# Allegro board LED_FIN.brd (continued)
## Routing (per net, layer and track width the routed paths; a pad name or vN(x,y) marks a point on that pad's centre or on a via; arc(x,y) is an arc through that point) (continued)
COL_OUT_A108: length 259.4
  TOP w0.15: D132.1 v1(61.25,384.8) ; D672.1 v1(61.25,348.8) ; D972.1 v1(61.25,328.8) ; D1092.1 v1(61.25,320.8) ; D372.1 v1(61.25,368.8) ; D462.1 v1(61.25,362.8) ; D912.1 v1(61.25,332.8) ; D582.1 v1(61.25,354.8) ; D342.1 v1(61.25,370.8) ; D72.1 v1(61.25,388.8) ; D312.1 v1(61.25,372.8) ; D702.1 v1(61.25,346.8) ; D1002.1 v1(61.25,326.8) ; D852.1 v1(61.25,336.8) ; D942.1 v1(61.25,330.8) ; D612.1 v1(61.25,352.8) ; D552.1 v1(61.25,356.8) ; D762.1 v1(61.25,342.8) ; D102.1 v1(61.25,386.8) ; D402.1 v1(61.25,366.8) ; D822.1 v1(61.25,338.8) ; D222.1 v1(61.25,378.8) ; D1122.1 v1(61.25,318.8) ; D882.1 v1(61.25,334.8) ; D252.1 v1(61.25,376.8) ; D42.1 v1(61.25,390.8) ; D522.1 v1(61.25,358.8) ; v1(59.95,161.1) R12.1 ; D12.1 v1(61.25,392.8) ; D1032.1 v1(61.25,324.8) ; D642.1 v1(61.25,350.8) ; D1062.1 v1(61.25,322.8) ; D282.1 v1(61.25,374.8) ; D492.1 v1(61.25,360.8) ; D162.1 v1(61.25,382.8) ; D432.1 v1(61.25,364.8) ; D192.1 v1(61.25,380.8) ; D792.1 v1(61.25,340.8) ; D732.1 v1(61.25,344.8)
  BOTTOM w0.15: v1(59.95,161.1) 59.95,317.5 v1(61.25,318.8) v1(61.25,320.8) v1(61.25,322.8) v1(61.25,324.8) v1(61.25,326.8) v1(61.25,328.8) v1(61.25,330.8) v1(61.25,332.8) v1(61.25,334.8) v1(61.25,336.8) v1(61.25,338.8) v1(61.25,340.8) v1(61.25,342.8) v1(61.25,344.8) v1(61.25,346.8) v1(61.25,348.8) v1(61.25,350.8) v1(61.25,352.8) v1(61.25,354.8) v1(61.25,356.8) v1(61.25,358.8) v1(61.25,360.8) v1(61.25,362.8) v1(61.25,364.8) v1(61.25,366.8) v1(61.25,368.8) v1(61.25,370.8) v1(61.25,372.8) v1(61.25,374.8) v1(61.25,376.8) v1(61.25,378.8) v1(61.25,380.8) v1(61.25,382.8) v1(61.25,384.8) v1(61.25,386.8) v1(61.25,388.8) v1(61.25,390.8) v1(61.25,392.8)
COL_OUT_A109: length 259.4
  TOP w0.15: D791.1 v1(59.25,340.8) ; D311.1 v1(59.25,372.8) ; D401.1 v1(59.25,366.8) ; D101.1 v1(59.25,386.8) ; D131.1 v1(59.25,384.8) ; D851.1 v1(59.25,336.8) ; D461.1 v1(59.25,362.8) ; D971.1 v1(59.25,328.8) ; D281.1 v1(59.25,374.8) ; D491.1 v1(59.25,360.8) ; D431.1 v1(59.25,364.8) ; D251.1 v1(59.25,376.8) ; D701.1 v1(59.25,346.8) ; D161.1 v1(59.25,382.8) ; D521.1 v1(59.25,358.8) ; D1091.1 v1(59.25,320.8) ; D581.1 v1(59.25,354.8) ; D1031.1 v1(59.25,324.8) ; D881.1 v1(59.25,334.8) ; D221.1 v1(59.25,378.8) ; D941.1 v1(59.25,330.8) ; D191.1 v1(59.25,380.8) ; D1001.1 v1(59.25,326.8) ; D1121.1 v1(59.25,318.8) ; D41.1 v1(59.25,390.8) ; D671.1 v1(59.25,348.8) ; D1061.1 v1(59.25,322.8) ; D341.1 v1(59.25,370.8) ; D731.1 v1(59.25,344.8) ; D761.1 v1(59.25,342.8) ; D821.1 v1(59.25,338.8) ; D611.1 v1(59.25,352.8) ; D911.1 v1(59.25,332.8) ; D71.1 v1(59.25,388.8) ; D371.1 v1(59.25,368.8) ; D11.1 v1(59.25,392.8) ; D641.1 v1(59.25,350.8) ; v1(57.95,161.1) R11.1 ; D551.1 v1(59.25,356.8)
  BOTTOM w0.15: v1(59.25,392.8) v1(59.25,390.8) v1(59.25,388.8) v1(59.25,386.8) v1(59.25,384.8) v1(59.25,382.8) v1(59.25,380.8) v1(59.25,378.8) v1(59.25,376.8) v1(59.25,374.8) v1(59.25,372.8) v1(59.25,370.8) v1(59.25,368.8) v1(59.25,366.8) v1(59.25,364.8) v1(59.25,362.8) v1(59.25,360.8) v1(59.25,358.8) v1(59.25,356.8) v1(59.25,354.8) v1(59.25,352.8) v1(59.25,350.8) v1(59.25,348.8) v1(59.25,346.8) v1(59.25,344.8) v1(59.25,342.8) v1(59.25,340.8) v1(59.25,338.8) v1(59.25,336.8) v1(59.25,334.8) v1(59.25,332.8) v1(59.25,330.8) v1(59.25,328.8) v1(59.25,326.8) v1(59.25,324.8) v1(59.25,322.8) v1(59.25,320.8) v1(59.25,318.8) 57.95,317.5 v1(57.95,161.1)
COL_OUT_A110: length 259.4
  TOP w0.15: D370.1 v1(57.25,368.8) ; D220.1 v1(57.25,378.8) ; D10.1 v1(57.25,392.8) ; D40.1 v1(57.25,390.8) ; D640.1 v1(57.25,350.8) ; D490.1 v1(57.25,360.8) ; D910.1 v1(57.25,332.8) ; D970.1 v1(57.25,328.8) ; D190.1 v1(57.25,380.8) ; D580.1 v1(57.25,354.8) ; D400.1 v1(57.25,366.8) ; D850.1 v1(57.25,336.8) ; D460.1 v1(57.25,362.8) ; D700.1 v1(57.25,346.8) ; D1120.1 v1(57.25,318.8) ; D280.1 v1(57.25,374.8) ; D100.1 v1(57.25,386.8) ; D820.1 v1(57.25,338.8) ; D430.1 v1(57.25,364.8) ; D670.1 v1(57.25,348.8) ; D730.1 v1(57.25,344.8) ; D610.1 v1(57.25,352.8) ; D790.1 v1(57.25,340.8) ; D880.1 v1(57.25,334.8) ; D940.1 v1(57.25,330.8) ; D1060.1 v1(57.25,322.8) ; D310.1 v1(57.25,372.8) ; D70.1 v1(57.25,388.8) ; D160.1 v1(57.25,382.8) ; D760.1 v1(57.25,342.8) ; D550.1 v1(57.25,356.8) ; D1090.1 v1(57.25,320.8) ; v1(55.95,161.1) R10.1 ; D340.1 v1(57.25,370.8) ; D1030.1 v1(57.25,324.8) ; D130.1 v1(57.25,384.8) ; D250.1 v1(57.25,376.8) ; D1000.1 v1(57.25,326.8) ; D520.1 v1(57.25,358.8)
  BOTTOM w0.15: v1(57.25,392.8) v1(57.25,390.8) v1(57.25,388.8) v1(57.25,386.8) v1(57.25,384.8) v1(57.25,382.8) v1(57.25,380.8) v1(57.25,378.8) v1(57.25,376.8) v1(57.25,374.8) v1(57.25,372.8) v1(57.25,370.8) v1(57.25,368.8) v1(57.25,366.8) v1(57.25,364.8) v1(57.25,362.8) v1(57.25,360.8) v1(57.25,358.8) v1(57.25,356.8) v1(57.25,354.8) v1(57.25,352.8) v1(57.25,350.8) v1(57.25,348.8) v1(57.25,346.8) v1(57.25,344.8) v1(57.25,342.8) v1(57.25,340.8) v1(57.25,338.8) v1(57.25,336.8) v1(57.25,334.8) v1(57.25,332.8) v1(57.25,330.8) v1(57.25,328.8) v1(57.25,326.8) v1(57.25,324.8) v1(57.25,322.8) v1(57.25,320.8) v1(57.25,318.8) 55.95,317.5 v1(55.95,161.1)
COL_OUT_A111: length 259.4
  TOP w0.15: v1(53.95,161.1) R9.1 ; D309.1 v1(55.25,372.8) ; D759.1 v1(55.25,342.8) ; D549.1 v1(55.25,356.8) ; D819.1 v1(55.25,338.8) ; D699.1 v1(55.25,346.8) ; D369.1 v1(55.25,368.8) ; D9.1 v1(55.25,392.8) ; D939.1 v1(55.25,330.8) ; D519.1 v1(55.25,358.8) ; D339.1 v1(55.25,370.8) ; D609.1 v1(55.25,352.8) ; D969.1 v1(55.25,328.8) ; D489.1 v1(55.25,360.8) ; D249.1 v1(55.25,376.8) ; D789.1 v1(55.25,340.8) ; D579.1 v1(55.25,354.8) ; D159.1 v1(55.25,382.8) ; D99.1 v1(55.25,386.8) ; D879.1 v1(55.25,334.8) ; D999.1 v1(55.25,326.8) ; D429.1 v1(55.25,364.8) ; D279.1 v1(55.25,374.8) ; D129.1 v1(55.25,384.8) ; D399.1 v1(55.25,366.8) ; D1029.1 v1(55.25,324.8) ; D669.1 v1(55.25,348.8) ; D639.1 v1(55.25,350.8) ; D189.1 v1(55.25,380.8) ; D729.1 v1(55.25,344.8) ; D909.1 v1(55.25,332.8) ; D69.1 v1(55.25,388.8) ; D1059.1 v1(55.25,322.8) ; D459.1 v1(55.25,362.8) ; D1119.1 v1(55.25,318.8) ; D219.1 v1(55.25,378.8) ; D1089.1 v1(55.25,320.8) ; D849.1 v1(55.25,336.8) ; D39.1 v1(55.25,390.8)
  BOTTOM w0.15: v1(53.95,161.1) 53.95,317.5 v1(55.25,318.8) v1(55.25,320.8) v1(55.25,322.8) v1(55.25,324.8) v1(55.25,326.8) v1(55.25,328.8) v1(55.25,330.8) v1(55.25,332.8) v1(55.25,334.8) v1(55.25,336.8) v1(55.25,338.8) v1(55.25,340.8) v1(55.25,342.8) v1(55.25,344.8) v1(55.25,346.8) v1(55.25,348.8) v1(55.25,350.8) v1(55.25,352.8) v1(55.25,354.8) v1(55.25,356.8) v1(55.25,358.8) v1(55.25,360.8) v1(55.25,362.8) v1(55.25,364.8) v1(55.25,366.8) v1(55.25,368.8) v1(55.25,370.8) v1(55.25,372.8) v1(55.25,374.8) v1(55.25,376.8) v1(55.25,378.8) v1(55.25,380.8) v1(55.25,382.8) v1(55.25,384.8) v1(55.25,386.8) v1(55.25,388.8) v1(55.25,390.8) v1(55.25,392.8)
COL_OUT_A112: length 259.4
  TOP w0.15: D188.1 v1(53.25,380.8) ; D98.1 v1(53.25,386.8) ; D248.1 v1(53.25,376.8) ; D878.1 v1(53.25,334.8) ; D608.1 v1(53.25,352.8) ; D518.1 v1(53.25,358.8) ; D1058.1 v1(53.25,322.8) ; D278.1 v1(53.25,374.8) ; D368.1 v1(53.25,368.8) ; D68.1 v1(53.25,388.8) ; v1(51.95,161.1) R8.1 ; D38.1 v1(53.25,390.8) ; D458.1 v1(53.25,362.8) ; D758.1 v1(53.25,342.8) ; D848.1 v1(53.25,336.8) ; D668.1 v1(53.25,348.8) ; D158.1 v1(53.25,382.8) ; D578.1 v1(53.25,354.8) ; D548.1 v1(53.25,356.8) ; D398.1 v1(53.25,366.8) ; D1118.1 v1(53.25,318.8) ; D938.1 v1(53.25,330.8) ; D1088.1 v1(53.25,320.8) ; D788.1 v1(53.25,340.8) ; D308.1 v1(53.25,372.8) ; D1028.1 v1(53.25,324.8) ; D998.1 v1(53.25,326.8) ; D638.1 v1(53.25,350.8) ; D488.1 v1(53.25,360.8) ; D818.1 v1(53.25,338.8) ; D428.1 v1(53.25,364.8) ; D968.1 v1(53.25,328.8) ; D908.1 v1(53.25,332.8) ; D218.1 v1(53.25,378.8) ; D338.1 v1(53.25,370.8) ; D8.1 v1(53.25,392.8) ; D698.1 v1(53.25,346.8) ; D128.1 v1(53.25,384.8) ; D728.1 v1(53.25,344.8)
  BOTTOM w0.15: v1(53.25,392.8) v1(53.25,390.8) v1(53.25,388.8) v1(53.25,386.8) v1(53.25,384.8) v1(53.25,382.8) v1(53.25,380.8) v1(53.25,378.8) v1(53.25,376.8) v1(53.25,374.8) v1(53.25,372.8) v1(53.25,370.8) v1(53.25,368.8) v1(53.25,366.8) v1(53.25,364.8) v1(53.25,362.8) v1(53.25,360.8) v1(53.25,358.8) v1(53.25,356.8) v1(53.25,354.8) v1(53.25,352.8) v1(53.25,350.8) v1(53.25,348.8) v1(53.25,346.8) v1(53.25,344.8) v1(53.25,342.8) v1(53.25,340.8) v1(53.25,338.8) v1(53.25,336.8) v1(53.25,334.8) v1(53.25,332.8) v1(53.25,330.8) v1(53.25,328.8) v1(53.25,326.8) v1(53.25,324.8) v1(53.25,322.8) v1(53.25,320.8) v1(53.25,318.8) 51.95,317.5 v1(51.95,161.1)
COL_OUT_A113: length 259.4
  TOP w0.15: D277.1 v1(51.25,374.8) ; D187.1 v1(51.25,380.8) ; D937.1 v1(51.25,330.8) ; v1(49.95,161.1) R7.1 ; D367.1 v1(51.25,368.8) ; D877.1 v1(51.25,334.8) ; D487.1 v1(51.25,360.8) ; D967.1 v1(51.25,328.8) ; D397.1 v1(51.25,366.8) ; D7.1 v1(51.25,392.8) ; D847.1 v1(51.25,336.8) ; D787.1 v1(51.25,340.8) ; D217.1 v1(51.25,378.8) ; D1087.1 v1(51.25,320.8) ; D817.1 v1(51.25,338.8) ; D907.1 v1(51.25,332.8) ; D727.1 v1(51.25,344.8) ; D517.1 v1(51.25,358.8) ; D37.1 v1(51.25,390.8) ; D1057.1 v1(51.25,322.8) ; D667.1 v1(51.25,348.8) ; D307.1 v1(51.25,372.8) ; D337.1 v1(51.25,370.8) ; D577.1 v1(51.25,354.8) ; D127.1 v1(51.25,384.8) ; D427.1 v1(51.25,364.8) ; D67.1 v1(51.25,388.8) ; D997.1 v1(51.25,326.8) ; D1117.1 v1(51.25,318.8) ; D697.1 v1(51.25,346.8) ; D457.1 v1(51.25,362.8) ; D547.1 v1(51.25,356.8) ; D247.1 v1(51.25,376.8) ; D607.1 v1(51.25,352.8) ; D157.1 v1(51.25,382.8) ; D97.1 v1(51.25,386.8) ; D757.1 v1(51.25,342.8) ; D1027.1 v1(51.25,324.8) ; D637.1 v1(51.25,350.8)
  BOTTOM w0.15: v1(51.25,392.8) v1(51.25,390.8) v1(51.25,388.8) v1(51.25,386.8) v1(51.25,384.8) v1(51.25,382.8) v1(51.25,380.8) v1(51.25,378.8) v1(51.25,376.8) v1(51.25,374.8) v1(51.25,372.8) v1(51.25,370.8) v1(51.25,368.8) v1(51.25,366.8) v1(51.25,364.8) v1(51.25,362.8) v1(51.25,360.8) v1(51.25,358.8) v1(51.25,356.8) v1(51.25,354.8) v1(51.25,352.8) v1(51.25,350.8) v1(51.25,348.8) v1(51.25,346.8) v1(51.25,344.8) v1(51.25,342.8) v1(51.25,340.8) v1(51.25,338.8) v1(51.25,336.8) v1(51.25,334.8) v1(51.25,332.8) v1(51.25,330.8) v1(51.25,328.8) v1(51.25,326.8) v1(51.25,324.8) v1(51.25,322.8) v1(51.25,320.8) v1(51.25,318.8) 49.95,317.5 v1(49.95,161.1)
COL_OUT_A114: length 259.4
  TOP w0.15: D1026.1 v1(49.25,324.8) ; D1056.1 v1(49.25,322.8) ; v1(47.95,161.1) R6.1 ; D1086.1 v1(49.25,320.8) ; D396.1 v1(49.25,366.8) ; D456.1 v1(49.25,362.8) ; D936.1 v1(49.25,330.8) ; D996.1 v1(49.25,326.8) ; D366.1 v1(49.25,368.8) ; D126.1 v1(49.25,384.8) ; D846.1 v1(49.25,336.8) ; D516.1 v1(49.25,358.8) ; D816.1 v1(49.25,338.8) ; D906.1 v1(49.25,332.8) ; D756.1 v1(49.25,342.8) ; D156.1 v1(49.25,382.8) ; D96.1 v1(49.25,386.8) ; D186.1 v1(49.25,380.8) ; D696.1 v1(49.25,346.8) ; D876.1 v1(49.25,334.8) ; D36.1 v1(49.25,390.8) ; D666.1 v1(49.25,348.8) ; D966.1 v1(49.25,328.8) ; D276.1 v1(49.25,374.8) ; D786.1 v1(49.25,340.8) ; D606.1 v1(49.25,352.8) ; D576.1 v1(49.25,354.8) ; D1116.1 v1(49.25,318.8) ; D246.1 v1(49.25,376.8) ; D66.1 v1(49.25,388.8) ; D216.1 v1(49.25,378.8) ; D486.1 v1(49.25,360.8) ; D726.1 v1(49.25,344.8) ; D336.1 v1(49.25,370.8) ; D426.1 v1(49.25,364.8) ; D6.1 v1(49.25,392.8) ; D636.1 v1(49.25,350.8) ; D306.1 v1(49.25,372.8) ; D546.1 v1(49.25,356.8)
  BOTTOM w0.15: v1(49.25,392.8) v1(49.25,390.8) v1(49.25,388.8) v1(49.25,386.8) v1(49.25,384.8) v1(49.25,382.8) v1(49.25,380.8) v1(49.25,378.8) v1(49.25,376.8) v1(49.25,374.8) v1(49.25,372.8) v1(49.25,370.8) v1(49.25,368.8) v1(49.25,366.8) v1(49.25,364.8) v1(49.25,362.8) v1(49.25,360.8) v1(49.25,358.8) v1(49.25,356.8) v1(49.25,354.8) v1(49.25,352.8) v1(49.25,350.8) v1(49.25,348.8) v1(49.25,346.8) v1(49.25,344.8) v1(49.25,342.8) v1(49.25,340.8) v1(49.25,338.8) v1(49.25,336.8) v1(49.25,334.8) v1(49.25,332.8) v1(49.25,330.8) v1(49.25,328.8) v1(49.25,326.8) v1(49.25,324.8) v1(49.25,322.8) v1(49.25,320.8) v1(49.25,318.8) 47.95,317.5 v1(47.95,161.1)
COL_OUT_A115: length 259.4
  TOP w0.15: D35.1 v1(47.25,390.8) ; D995.1 v1(47.25,326.8) ; D65.1 v1(47.25,388.8) ; D1115.1 v1(47.25,318.8) ; D1085.1 v1(47.25,320.8) ; D485.1 v1(47.25,360.8) ; D545.1 v1(47.25,356.8) ; D695.1 v1(47.25,346.8) ; D185.1 v1(47.25,380.8) ; D335.1 v1(47.25,370.8) ; v1(45.95,161.1) R5.1 ; D935.1 v1(47.25,330.8) ; D305.1 v1(47.25,372.8) ; D365.1 v1(47.25,368.8) ; D965.1 v1(47.25,328.8) ; D635.1 v1(47.25,350.8) ; D395.1 v1(47.25,366.8) ; D665.1 v1(47.25,348.8) ; D845.1 v1(47.25,336.8) ; D875.1 v1(47.25,334.8) ; D425.1 v1(47.25,364.8) ; D245.1 v1(47.25,376.8) ; D1025.1 v1(47.25,324.8) ; D95.1 v1(47.25,386.8) ; D215.1 v1(47.25,378.8) ; D125.1 v1(47.25,384.8) ; D725.1 v1(47.25,344.8) ; D605.1 v1(47.25,352.8) ; D815.1 v1(47.25,338.8) ; D575.1 v1(47.25,354.8) ; D515.1 v1(47.25,358.8) ; D755.1 v1(47.25,342.8) ; D275.1 v1(47.25,374.8) ; D785.1 v1(47.25,340.8) ; D905.1 v1(47.25,332.8) ; D455.1 v1(47.25,362.8) ; D155.1 v1(47.25,382.8) ; D1055.1 v1(47.25,322.8) ; D5.1 v1(47.25,392.8)
  BOTTOM w0.15: v1(45.95,161.1) 45.95,317.5 v1(47.25,318.8) v1(47.25,320.8) v1(47.25,322.8) v1(47.25,324.8) v1(47.25,326.8) v1(47.25,328.8) v1(47.25,330.8) v1(47.25,332.8) v1(47.25,334.8) v1(47.25,336.8) v1(47.25,338.8) v1(47.25,340.8) v1(47.25,342.8) v1(47.25,344.8) v1(47.25,346.8) v1(47.25,348.8) v1(47.25,350.8) v1(47.25,352.8) v1(47.25,354.8) v1(47.25,356.8) v1(47.25,358.8) v1(47.25,360.8) v1(47.25,362.8) v1(47.25,364.8) v1(47.25,366.8) v1(47.25,368.8) v1(47.25,370.8) v1(47.25,372.8) v1(47.25,374.8) v1(47.25,376.8) v1(47.25,378.8) v1(47.25,380.8) v1(47.25,382.8) v1(47.25,384.8) v1(47.25,386.8) v1(47.25,388.8) v1(47.25,390.8) v1(47.25,392.8)
COL_OUT_A116: length 259.4
  TOP w0.15: D1054.1 v1(45.25,322.8) ; D214.1 v1(45.25,378.8) ; D814.1 v1(45.25,338.8) ; v1(43.95,161.1) R4.1 ; D664.1 v1(45.25,348.8) ; D94.1 v1(45.25,386.8) ; D1084.1 v1(45.25,320.8) ; D364.1 v1(45.25,368.8) ; D424.1 v1(45.25,364.8) ; D64.1 v1(45.25,388.8) ; D454.1 v1(45.25,362.8) ; D484.1 v1(45.25,360.8) ; D754.1 v1(45.25,342.8) ; D784.1 v1(45.25,340.8) ; D724.1 v1(45.25,344.8) ; D304.1 v1(45.25,372.8) ; D4.1 v1(45.25,392.8) ; D1114.1 v1(45.25,318.8) ; D184.1 v1(45.25,380.8) ; D874.1 v1(45.25,334.8) ; D124.1 v1(45.25,384.8) ; D574.1 v1(45.25,354.8) ; D904.1 v1(45.25,332.8) ; D694.1 v1(45.25,346.8) ; D274.1 v1(45.25,374.8) ; D544.1 v1(45.25,356.8) ; D1024.1 v1(45.25,324.8) ; D34.1 v1(45.25,390.8) ; D514.1 v1(45.25,358.8) ; D244.1 v1(45.25,376.8) ; D844.1 v1(45.25,336.8) ; D934.1 v1(45.25,330.8) ; D634.1 v1(45.25,350.8) ; D604.1 v1(45.25,352.8) ; D964.1 v1(45.25,328.8) ; D154.1 v1(45.25,382.8) ; D334.1 v1(45.25,370.8) ; D994.1 v1(45.25,326.8) ; D394.1 v1(45.25,366.8)
  BOTTOM w0.15: v1(43.95,161.1) 43.95,317.5 v1(45.25,318.8) v1(45.25,320.8) v1(45.25,322.8) v1(45.25,324.8) v1(45.25,326.8) v1(45.25,328.8) v1(45.25,330.8) v1(45.25,332.8) v1(45.25,334.8) v1(45.25,336.8) v1(45.25,338.8) v1(45.25,340.8) v1(45.25,342.8) v1(45.25,344.8) v1(45.25,346.8) v1(45.25,348.8) v1(45.25,350.8) v1(45.25,352.8) v1(45.25,354.8) v1(45.25,356.8) v1(45.25,358.8) v1(45.25,360.8) v1(45.25,362.8) v1(45.25,364.8) v1(45.25,366.8) v1(45.25,368.8) v1(45.25,370.8) v1(45.25,372.8) v1(45.25,374.8) v1(45.25,376.8) v1(45.25,378.8) v1(45.25,380.8) v1(45.25,382.8) v1(45.25,384.8) v1(45.25,386.8) v1(45.25,388.8) v1(45.25,390.8) v1(45.25,392.8)
COL_OUT_A117: length 259.4
  TOP w0.15: D963.1 v1(43.25,328.8) ; D513.1 v1(43.25,358.8) ; D633.1 v1(43.25,350.8) ; D993.1 v1(43.25,326.8) ; D813.1 v1(43.25,338.8) ; D213.1 v1(43.25,378.8) ; D423.1 v1(43.25,364.8) ; D843.1 v1(43.25,336.8) ; D873.1 v1(43.25,334.8) ; D273.1 v1(43.25,374.8) ; D33.1 v1(43.25,390.8) ; D903.1 v1(43.25,332.8) ; D153.1 v1(43.25,382.8) ; D1083.1 v1(43.25,320.8) ; D603.1 v1(43.25,352.8) ; D63.1 v1(43.25,388.8) ; D1023.1 v1(43.25,324.8) ; D1113.1 v1(43.25,318.8) ; D753.1 v1(43.25,342.8) ; D933.1 v1(43.25,330.8) ; D183.1 v1(43.25,380.8) ; v1(41.95,161.1) R3.1 ; D663.1 v1(43.25,348.8) ; D123.1 v1(43.25,384.8) ; D783.1 v1(43.25,340.8) ; D453.1 v1(43.25,362.8) ; D93.1 v1(43.25,386.8) ; D693.1 v1(43.25,346.8) ; D363.1 v1(43.25,368.8) ; D723.1 v1(43.25,344.8) ; D1053.1 v1(43.25,322.8) ; D3.1 v1(43.25,392.8) ; D573.1 v1(43.25,354.8) ; D543.1 v1(43.25,356.8) ; D303.1 v1(43.25,372.8) ; D333.1 v1(43.25,370.8) ; D483.1 v1(43.25,360.8) ; D393.1 v1(43.25,366.8) ; D243.1 v1(43.25,376.8)
  BOTTOM w0.15: v1(41.95,161.1) 41.95,317.5 v1(43.25,318.8) v1(43.25,320.8) v1(43.25,322.8) v1(43.25,324.8) v1(43.25,326.8) v1(43.25,328.8) v1(43.25,330.8) v1(43.25,332.8) v1(43.25,334.8) v1(43.25,336.8) v1(43.25,338.8) v1(43.25,340.8) v1(43.25,342.8) v1(43.25,344.8) v1(43.25,346.8) v1(43.25,348.8) v1(43.25,350.8) v1(43.25,352.8) v1(43.25,354.8) v1(43.25,356.8) v1(43.25,358.8) v1(43.25,360.8) v1(43.25,362.8) v1(43.25,364.8) v1(43.25,366.8) v1(43.25,368.8) v1(43.25,370.8) v1(43.25,372.8) v1(43.25,374.8) v1(43.25,376.8) v1(43.25,378.8) v1(43.25,380.8) v1(43.25,382.8) v1(43.25,384.8) v1(43.25,386.8) v1(43.25,388.8) v1(43.25,390.8) v1(43.25,392.8)
COL_OUT_A118: length 259.4
  TOP w0.15: D482.1 v1(41.25,360.8) ; D842.1 v1(41.25,336.8) ; D602.1 v1(41.25,352.8) ; D392.1 v1(41.25,366.8) ; D302.1 v1(41.25,372.8) ; D662.1 v1(41.25,348.8) ; D902.1 v1(41.25,332.8) ; D362.1 v1(41.25,368.8) ; D692.1 v1(41.25,346.8) ; D1082.1 v1(41.25,320.8) ; D872.1 v1(41.25,334.8) ; D962.1 v1(41.25,328.8) ; D1052.1 v1(41.25,322.8) ; D212.1 v1(41.25,378.8) ; D92.1 v1(41.25,386.8) ; v1(39.95,161.1) R2.1 ; D242.1 v1(41.25,376.8) ; D32.1 v1(41.25,390.8) ; D122.1 v1(41.25,384.8) ; D542.1 v1(41.25,356.8) ; D332.1 v1(41.25,370.8) ; D2.1 v1(41.25,392.8) ; D152.1 v1(41.25,382.8) ; D752.1 v1(41.25,342.8) ; D1022.1 v1(41.25,324.8) ; D812.1 v1(41.25,338.8) ; D722.1 v1(41.25,344.8) ; D782.1 v1(41.25,340.8) ; D632.1 v1(41.25,350.8) ; D1112.1 v1(41.25,318.8) ; D572.1 v1(41.25,354.8) ; D272.1 v1(41.25,374.8) ; D512.1 v1(41.25,358.8) ; D452.1 v1(41.25,362.8) ; D932.1 v1(41.25,330.8) ; D62.1 v1(41.25,388.8) ; D422.1 v1(41.25,364.8) ; D182.1 v1(41.25,380.8) ; D992.1 v1(41.25,326.8)
  BOTTOM w0.15: v1(39.95,161.1) 39.95,317.5 v1(41.25,318.8) v1(41.25,320.8) v1(41.25,322.8) v1(41.25,324.8) v1(41.25,326.8) v1(41.25,328.8) v1(41.25,330.8) v1(41.25,332.8) v1(41.25,334.8) v1(41.25,336.8) v1(41.25,338.8) v1(41.25,340.8) v1(41.25,342.8) v1(41.25,344.8) v1(41.25,346.8) v1(41.25,348.8) v1(41.25,350.8) v1(41.25,352.8) v1(41.25,354.8) v1(41.25,356.8) v1(41.25,358.8) v1(41.25,360.8) v1(41.25,362.8) v1(41.25,364.8) v1(41.25,366.8) v1(41.25,368.8) v1(41.25,370.8) v1(41.25,372.8) v1(41.25,374.8) v1(41.25,376.8) v1(41.25,378.8) v1(41.25,380.8) v1(41.25,382.8) v1(41.25,384.8) v1(41.25,386.8) v1(41.25,388.8) v1(41.25,390.8) v1(41.25,392.8)
COL_OUT_A119: length 259.4
  TOP w0.15: D931.1 v1(39.25,330.8) ; D691.1 v1(39.25,346.8) ; D211.1 v1(39.25,378.8) ; D181.1 v1(39.25,380.8) ; D541.1 v1(39.25,356.8) ; D511.1 v1(39.25,358.8) ; D151.1 v1(39.25,382.8) ; D391.1 v1(39.25,366.8) ; D1111.1 v1(39.25,318.8) ; D91.1 v1(39.25,386.8) ; D901.1 v1(39.25,332.8) ; D481.1 v1(39.25,360.8) ; D631.1 v1(39.25,350.8) ; D271.1 v1(39.25,374.8) ; D721.1 v1(39.25,344.8) ; D61.1 v1(39.25,388.8) ; D841.1 v1(39.25,336.8) ; v1(37.95,161.1) R1.1 ; D331.1 v1(39.25,370.8) ; D421.1 v1(39.25,364.8) ; D241.1 v1(39.25,376.8) ; D31.1 v1(39.25,390.8) ; D1051.1 v1(39.25,322.8) ; D121.1 v1(39.25,384.8) ; D1081.1 v1(39.25,320.8) ; D961.1 v1(39.25,328.8) ; D1021.1 v1(39.25,324.8) ; D751.1 v1(39.25,342.8) ; D1.1 v1(39.25,392.8) ; D871.1 v1(39.25,334.8) ; D991.1 v1(39.25,326.8) ; D811.1 v1(39.25,338.8) ; D451.1 v1(39.25,362.8) ; D661.1 v1(39.25,348.8) ; D571.1 v1(39.25,354.8) ; D301.1 v1(39.25,372.8) ; D781.1 v1(39.25,340.8) ; D361.1 v1(39.25,368.8) ; D601.1 v1(39.25,352.8)
  BOTTOM w0.15: v1(37.95,161.1) 37.95,317.5 v1(39.25,318.8) v1(39.25,320.8) v1(39.25,322.8) v1(39.25,324.8) v1(39.25,326.8) v1(39.25,328.8) v1(39.25,330.8) v1(39.25,332.8) v1(39.25,334.8) v1(39.25,336.8) v1(39.25,338.8) v1(39.25,340.8) v1(39.25,342.8) v1(39.25,344.8) v1(39.25,346.8) v1(39.25,348.8) v1(39.25,350.8) v1(39.25,352.8) v1(39.25,354.8) v1(39.25,356.8) v1(39.25,358.8) v1(39.25,360.8) v1(39.25,362.8) v1(39.25,364.8) v1(39.25,366.8) v1(39.25,368.8) v1(39.25,370.8) v1(39.25,372.8) v1(39.25,374.8) v1(39.25,376.8) v1(39.25,378.8) v1(39.25,380.8) v1(39.25,382.8) v1(39.25,384.8) v1(39.25,386.8) v1(39.25,388.8) v1(39.25,390.8) v1(39.25,392.8)
COL_OUT_B0: length 244.6
  TOP w0.15: D8520.1 v1(277.2,282.8) ; D8760.1 v1(277.2,266.8) ; D8940.1 v1(277.2,254.8) ; R240.1 v1(276.55,99.8) ; D8610.1 v1(277.2,276.8) ; D8640.1 v1(277.2,274.8) ; D8010.1 v1(277.2,316.8) ; D8910.1 v1(277.2,256.8) ; D8250.1 v1(277.2,300.8) ; D8310.1 v1(277.22,296.8) ; D8400.1 v1(277.2,290.8) ; D8970.1 v1(277.2,252.8) ; D8460.1 v1(277.2,286.8) ; D8790.1 v1(277.2,264.8) ; D8130.1 v1(277.2,308.8) ; D8670.1 v1(277.2,272.8) ; D8490.1 v1(277.2,284.8) ; D9030.1 v1(277.2,248.8) ; D8820.1 v1(277.2,262.8) ; D9090.1 v1(277.2,244.8) ; D8700.1 v1(277.2,270.8) ; D8430.1 v1(277.2,288.8) ; D8280.1 v1(277.22,298.8) ; D8850.1 v1(277.22,260.8) ; D8880.1 v1(277.22,258.8) ; D9120.1 v1(277.2,242.8) ; D9000.1 v1(277.2,250.8) ; D8220.1 v1(277.2,302.8) ; D8730.1 v1(277.2,268.8) ; D8580.1 v1(277.2,278.8) ; D8340.1 v1(277.2,294.8) ; D8370.1 v1(277.2,292.8) ; D8160.1 v1(277.22,306.8) ; D9060.1 v1(277.2,246.8) ; D8100.1 v1(277.2,310.8) ; D8550.1 v1(277.2,280.8) ; D8040.1 v1(277.2,314.8) ; D8190.1 v1(277.22,304.8) ; D8070.1 v1(277.2,312.8)
  BOTTOM w0.15: v1(277.2,266.8) 277.25,266.8 ; 277.25,266.8 277.25,264.8 ; 277.25,266.8 277.25,268.8 ; v1(277.2,274.8) 277.25,274.8 ; 277.25,274.8 277.25,276.8 ; 277.25,274.8 277.25,272.8 ; v1(277.2,248.8) 277.25,248.8 ; 277.25,248.8 277.25,250.8 ; 277.25,248.8 277.25,246.8 ; v1(277.2,264.8) 277.25,264.8 ; 277.25,264.8 277.25,262.8 ; v1(277.2,282.8) 277.25,282.8 ; 277.25,282.8 277.25,280.8 ; 277.25,282.8 277.25,284.8 ; 277.25,300.8 277.25,298.8 ; 277.25,300.8 277.25,302.8 ; 277.25,300.8 v1(277.2,300.8) ; 277.25,298.8 277.25,296.8 ; 277.25,298.8 v1(277.22,298.8) ; 277.25,294.8 277.25,292.8 ; 277.25,294.8 277.25,296.8 ; 277.25,294.8 v1(277.2,294.8) ; 277.25,292.8 277.25,290.8 ; 277.25,292.8 v1(277.2,292.8) ; v1(277.2,314.8) 277.25,314.8 ; 277.25,314.8 277.25,312.8 ; 277.25,314.8 277.25,316.75 v1(277.2,316.8) ; 277.25,288.8 277.25,286.8 ; 277.25,288.8 277.25,290.8 ; 277.25,288.8 v1(277.2,288.8) ; 277.25,286.8 277.25,284.8 ; 277.25,286.8 v1(277.2,286.8) ; v1(277.2,252.8) 277.25,252.8 ; 277.25,252.8 277.25,254.8 ; 277.25,252.8 277.25,250.8 ; 277.25,290.8 v1(277.2,290.8) ; v1(277.2,272.8) 277.25,272.8 ; 277.25,272.8 277.25,270.8 ; 277.25,256.8 277.25,254.8 ; 277.25,256.8 v1(277.2,256.8) ; 277.25,256.8 277.25,258.8 ; 277.25,254.8 v1(277.2,254.8) ; 277.25,296.8 v1(277.22,296.8) ; v1(277.22,258.8) 277.25,258.8 ; 277.25,258.8 277.25,260.8 ; 277.25,250.8 v1(277.2,250.8) ; 277.25,270.8 277.25,268.8 ; 277.25,270.8 v1(277.2,270.8) ; 277.25,310.8 277.25,308.8 ; 277.25,310.8 v1(277.2,310.8) ; 277.25,310.8 277.25,312.8 ; 277.25,308.8 v1(277.2,308.8) ; 277.25,308.8 277.25,306.8 ; v1(277.22,306.8) 277.25,306.8 ; 277.25,306.8 277.25,304.8 ; 277.25,276.8 v1(277.2,276.8) ; 277.25,276.8 277.25,278.8 ; v1(277.2,312.8) 277.25,312.8 ; 277.25,304.8 277.25,302.8 ; 277.25,304.8 v1(277.22,304.8) ; 277.25,302.8 v1(277.2,302.8) ; v1(277.2,244.8) 277.25,244.8 ; 277.25,244.8 277.25,246.8 ; 277.25,244.8 277.25,242.85 v1(277.2,242.8) 276.55,242.15 v1(276.55,99.8) ; 277.25,280.8 v1(277.2,280.8) ; 277.25,280.8 277.25,278.8 ; 277.25,246.8 v1(277.2,246.8) ; v1(277.2,262.8) 277.25,262.8 ; 277.25,262.8 277.25,260.8 ; 277.25,284.8 v1(277.2,284.8) ; 277.25,268.8 v1(277.2,268.8) ; 277.25,260.8 v1(277.22,260.8) ; 277.25,278.8 v1(277.2,278.8)
COL_OUT_B1: length 244.7
  TOP w0.15: D8129.1 v1(275.25,308.8) ; D8669.1 v1(275.25,272.8) ; D8249.1 v1(275.25,300.8) ; D8099.1 v1(275.25,310.8) ; D8969.1 v1(275.25,252.8) ; D8789.1 v1(275.25,264.8) ; D8039.1 v1(275.25,314.8) ; D8579.1 v1(275.25,278.8) ; D8549.1 v1(275.25,280.8) ; D8069.1 v1(275.25,312.8) ; D8819.1 v1(275.25,262.8) ; D8429.1 v1(275.25,288.8) ; D8009.1 v1(275.25,316.8) ; D8279.1 v1(275.25,298.8) ; D8729.1 v1(275.25,268.8) ; D8399.1 v1(275.25,290.8) ; D8639.1 v1(275.25,274.8) ; D9119.1 v1(275.25,242.8) ; D8219.1 v1(275.25,302.8) ; D8309.1 v1(275.25,296.8) ; D9029.1 v1(275.25,248.8) ; D8699.1 v1(275.25,270.8) ; D8849.1 v1(275.25,260.8) ; D8189.1 v1(275.25,304.8) ; D8369.1 v1(275.25,292.8) ; D8519.1 v1(275.25,282.8) ; D9059.1 v1(275.25,246.8) ; D8879.1 v1(275.25,258.8) ; D8909.1 v1(275.25,256.8) ; D8339.1 v1(275.25,294.8) ; v1(274.55,99.8) R239.1 ; D8609.1 v1(275.25,276.8) ; D8939.1 v1(275.25,254.8) ; D9089.1 v1(275.25,244.8) ; D8999.1 v1(275.25,250.8) ; D8459.1 v1(275.25,286.8) ; D8159.1 v1(275.25,306.8) ; D8759.1 v1(275.25,266.8) ; D8489.1 v1(275.25,284.8)
  BOTTOM w0.15: v1(274.55,99.8) 274.55,242.1 v1(275.25,242.8) v1(275.25,244.8) v1(275.25,246.8) v1(275.25,248.8) v1(275.25,250.8) v1(275.25,252.8) v1(275.25,254.8) v1(275.25,256.8) v1(275.25,258.8) v1(275.25,260.8) v1(275.25,262.8) v1(275.25,264.8) v1(275.25,266.8) v1(275.25,268.8) v1(275.25,270.8) v1(275.25,272.8) v1(275.25,274.8) v1(275.25,276.8) v1(275.25,278.8) v1(275.25,280.8) v1(275.25,282.8) v1(275.25,284.8) v1(275.25,286.8) v1(275.25,288.8) v1(275.25,290.8) v1(275.25,292.8) v1(275.25,294.8) v1(275.25,296.8) v1(275.25,298.8) v1(275.25,300.8) v1(275.25,302.8) v1(275.25,304.8) v1(275.25,306.8) v1(275.25,308.8) v1(275.25,310.8) v1(275.25,312.8) v1(275.25,314.8) v1(275.25,316.8)
